# Allegro board 1155001-Timing_board_V3_20241024_1805_pcb.brd (continued)
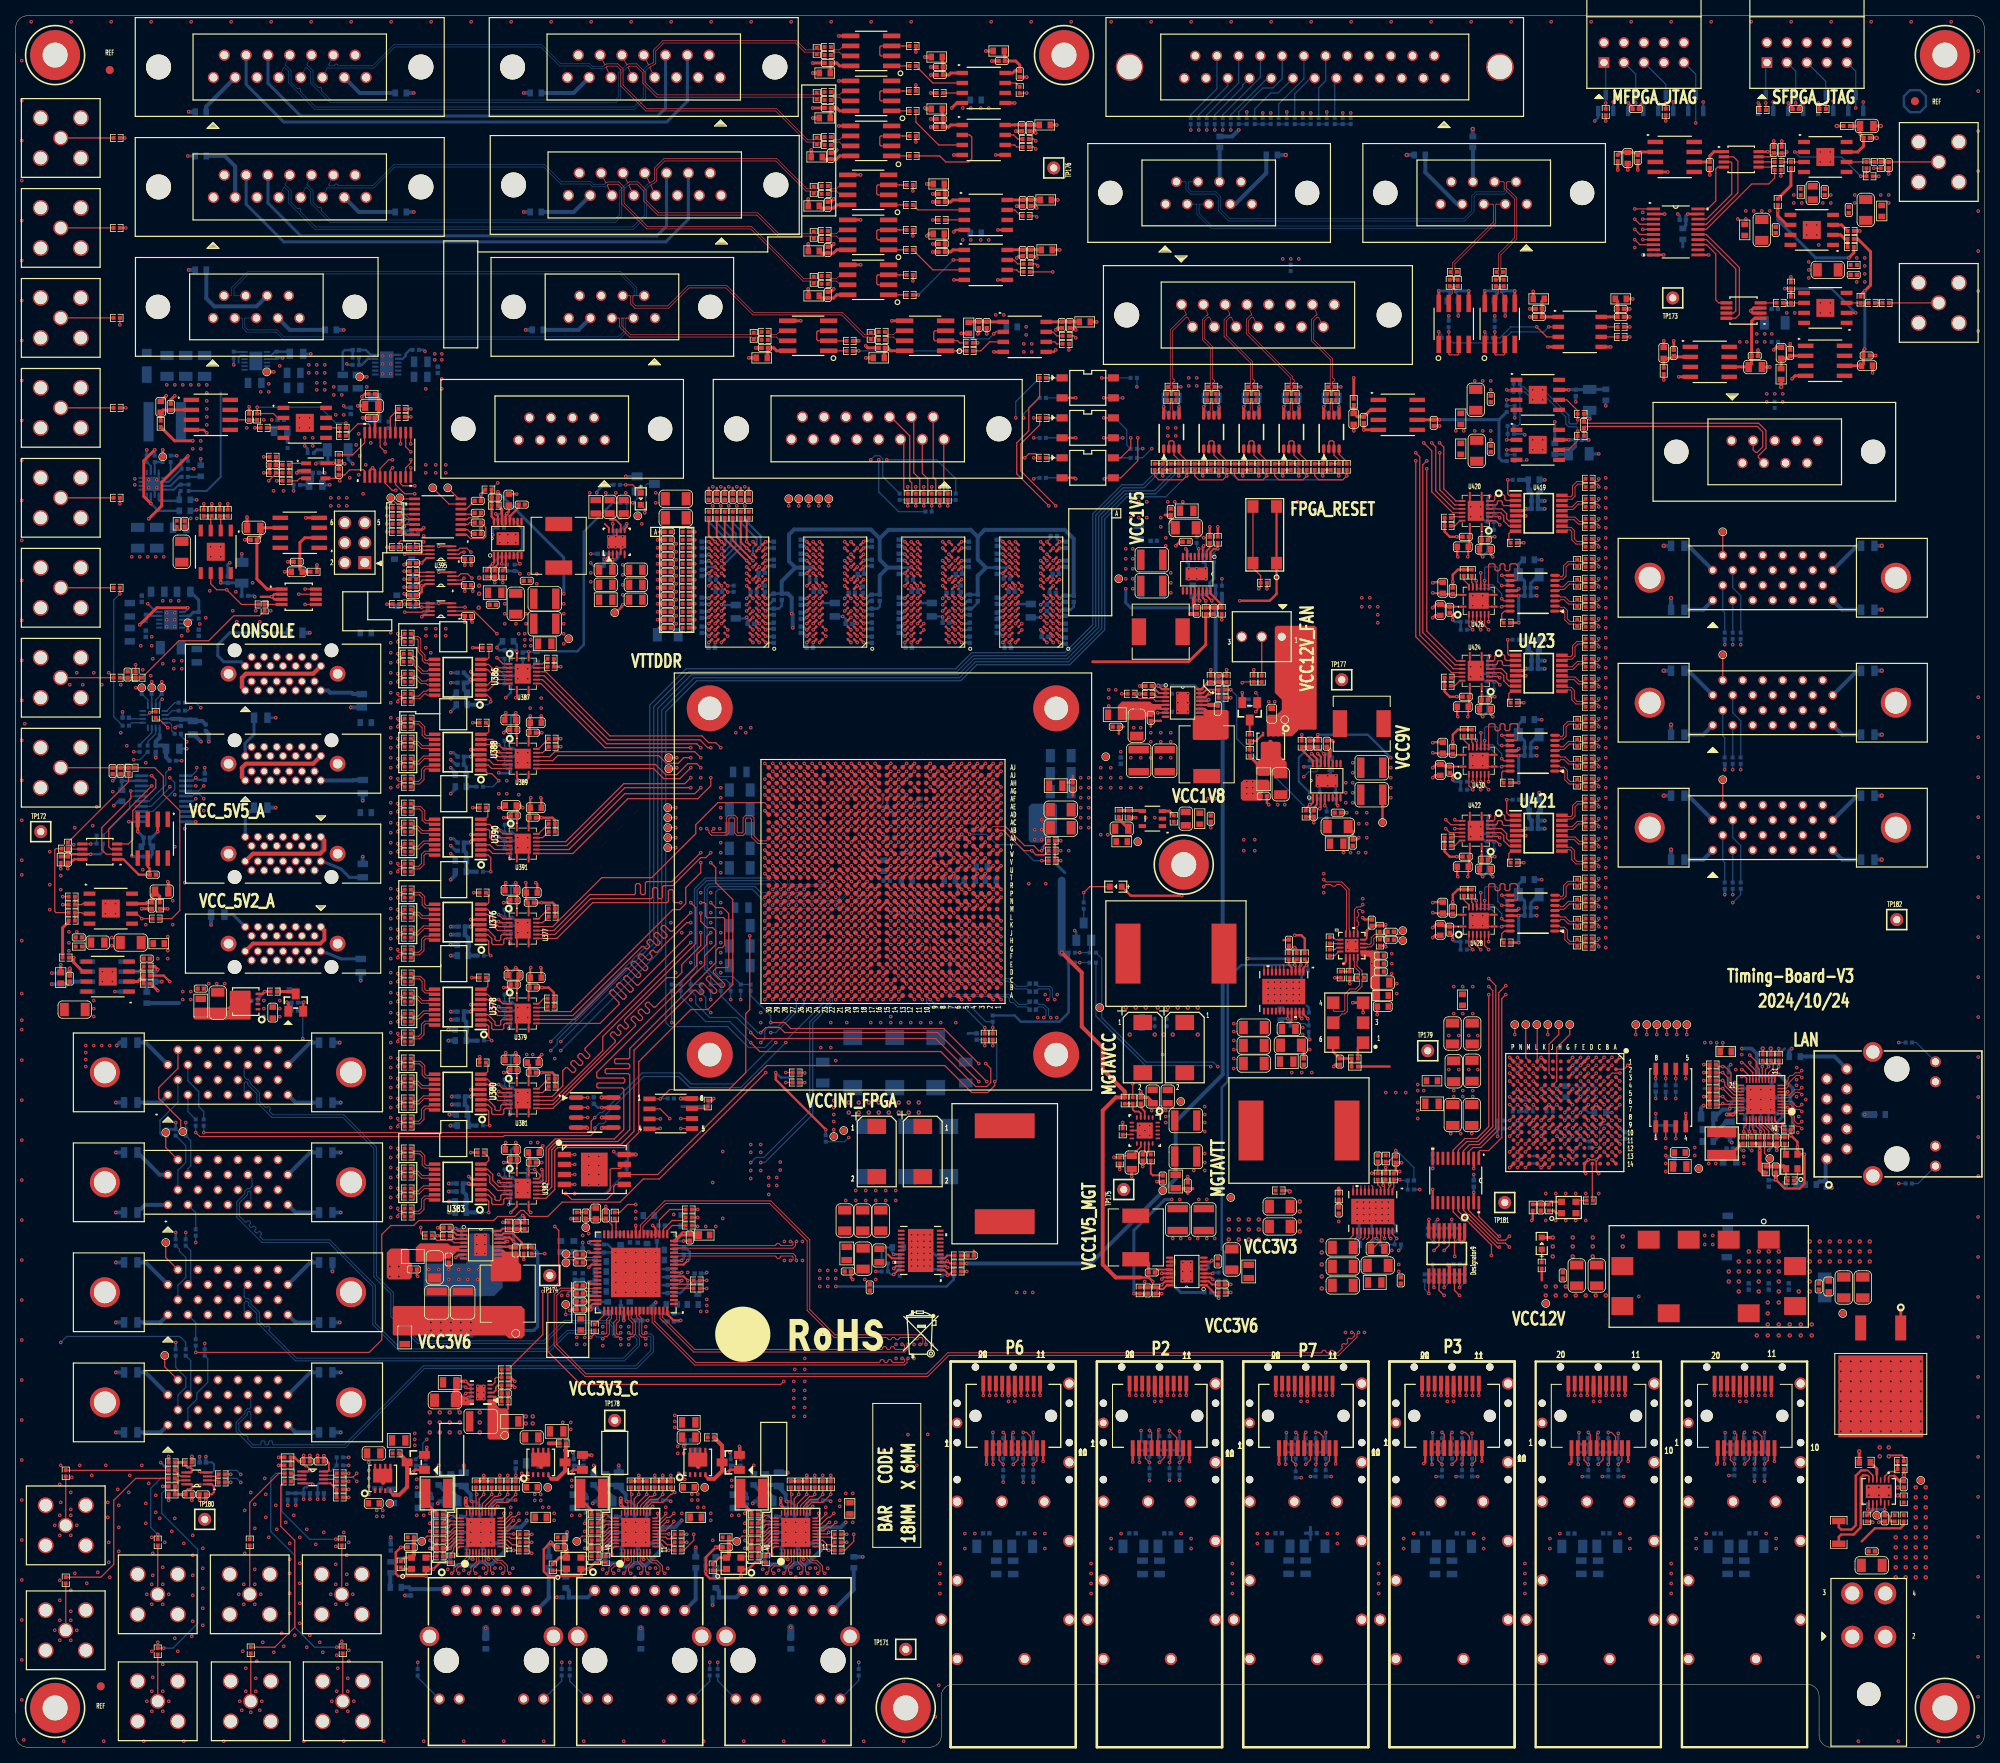
[diagram p0: board, top side]
## Routing (per net, layer and track width the routed paths; a pad name or vN(x,y) marks a point on that pad's centre or on a via; arc(x,y) is an arc through that point) (continued)
  ART03 w0.102: v1(103.14,112) 102.54,112.6 102.54,114.22 102.36,114.4 95.76,114.4
  ART03 w0.117: v1(187.07,97.66) 187.96,98.55 187.96,108.2 184.66,111.51 183.3,111.51 180.77,114.03 180.77,139.04 178.33,141.48 178.33,143.48 170.99,150.83 144.2,150.83 142.24,152.78 136.27,152.78 133.48,155.57 86.23,155.57 85.17,154.51 85.17,137.11 83.72,135.66 83.72,130.15 86.44,127.43 87.2,127.43 88.14,126.49 88.72,126.49 93.95,121.26 93.95,116.1 95.66,114.4 95.76,114.4
FPGA_SFP6_MOD_DETECT: length 52.7
  TOP w0.157: v1(189.7,64.94) 189.19,64.43 188.3,64.43 184.51,68.22 U431.18 ; P9.6 201.58,36.54 v1(200.98,35.94)
  ART05 w0.117: v1(189.7,64.94) 189.22,64.45 189.22,54.99 192.65,51.56 199.67,51.56 205.27,45.96 205.27,44.23 201.8,40.76 201.8,36.76 v1(200.98,35.94)
  BOTTOM w0.102: R3191.2 v1(200.98,35.94)
FPGA_SFP6_MOD_DETECT_1V8: length 233.6
  TOP w0.157: U247.W24 v1(101.14,113) ; U431.3 184.51,75.67 185.04,76.2 186.06,76.2 188.34,78.49 188.34,95.89 v1(189.23,96.77)
  ART03 w0.102: v1(101.14,113) 100.74,113.4 94.74,113.4
  ART03 w0.117: v1(189.23,96.77) 189.61,97.16 189.61,109.95 187.29,112.27 184.5,112.27 183.54,113.23 183.54,128.59 181.51,130.63 181.51,140.05 179.1,142.46 179.1,143.74 171.4,151.43 144.66,151.43 142.56,153.54 136.59,153.54 133.79,156.34 85.98,156.34 84.58,154.94 84.58,137.54 83.12,136.07 83.12,128.97 85.92,126.17 87.22,126.17 88.07,125.32 89.04,125.32 93.34,121.01 93.34,115.65 94.26,114.73 94.26,113.64 94.5,113.4 94.74,113.4
FPGA_SFP6_RX_N: length 125.3
  TOP w0.122: P9.12 v1(203.58,44.7) ; U247.G3 v1(123.14,101)
  ART10 w0.099: 125.6,101.4 125.63,101.4 125.7,101.33 127.57,101.33 arc(128.59,101.13) 129.44,100.55 135.98,94.02 arc(136.67,92.99) 136.91,91.78 136.91,64.43 arc(137.1,63.45) 137.65,62.63 144.74,55.54 arc(146.95,54.06) 149.57,53.54 186.19,53.54 arc(187.07,53.37) 187.82,52.87 197.02,43.67 arc(197.66,43.24) 198.41,43.09 202.14,43.09 arc(202.33,43.13) 202.49,43.24 203.21,43.96 arc(203.32,44.12) 203.35,44.31 203.35,44.32 arc(203.38,44.46) 203.46,44.58 v1(203.58,44.7)
  ART10 w0.102: 125.6,101.4 122.87,101.4 arc(122.77,101.36) 122.73,101.25 122.73,101.1 arc(122.76,101.03) 122.83,101 v1(123.14,101)
FPGA_SFP6_RX_P: length 125.3
  TOP w0.122: U247.G4 v1(122.14,101) ; P9.13 v1(202.78,44.7)
  ART10 w0.099: v1(202.78,44.7) 202.94,44.55 arc(202.99,44.47) 203.01,44.37 203.01,44.31 arc(203,44.25) 202.97,44.2 202.81,44.05 arc(202.75,44.02) 202.68,44.05 arc(202.61,44.08) 202.55,44.05 202.4,43.9 arc(202.37,43.84) 202.4,43.77 arc(202.43,43.7) 202.4,43.63 202.24,43.48 arc(202.19,43.45) 202.14,43.43 198.41,43.43 arc(197.79,43.56) 197.26,43.91 188.06,53.11 arc(187.2,53.68) 186.19,53.89 149.57,53.89 arc(147.08,54.38) 144.98,55.79 137.89,62.87 arc(137.42,63.58) 137.25,64.43 137.25,91.78 arc(136.98,93.12) 136.22,94.26 129.69,100.8 arc(128.72,101.44) 127.57,101.67 125.7,101.67 125.63,101.6 125.6,101.6
  ART10 w0.102: 125.6,101.6 122.87,101.6 arc(122.63,101.5) 122.52,101.25 122.52,101.1 arc(122.49,101.03) 122.42,101 v1(122.14,101)
FPGA_SFP6_TX_FAULT: length 51
  TOP w0.157: U431.20 185.81,67.43 188.3,64.94 v1(188.43,64.94) ; v1(198.44,35.94) 198.44,36.07 198.38,36.13 P9.2
  ART05 w0.117: v1(198.44,35.94) 201.42,38.92 201.42,40.92 204.89,44.39 204.89,45.81 199.52,51.18 192.27,51.18 188.91,54.54 188.91,64.45 v1(188.43,64.94)
  BOTTOM w0.102: R3192.2 v1(198.44,35.94)
FPGA_SFP6_TX_FAULT_1V8: length 232.8
  TOP w0.157: U431.1 185.81,75.66 185.96,75.82 187.07,75.82 188.72,77.47 188.72,95.12 v1(189.23,95.63) ; U247.V27 v1(98.14,113)
  ART03 w0.117: v1(98.14,113) 97.66,112.52 94.74,112.52 93.95,113.31 93.95,114.53 93.05,115.43 93.05,120.89 88.91,125.02 87.71,125.02 87.44,125.29 85.52,125.29 85.21,125.6 85.21,126.37 82.82,128.76 82.82,136.31 84.29,137.77 84.29,155.15 85.8,156.67 133.93,156.67 136.72,153.87 142.69,153.87 144.8,151.76 171.58,151.76 179.48,143.87 179.48,142.62 181.89,140.21 181.89,130.78 183.92,128.75 183.92,113.39 184.66,112.65 187.45,112.65 189.99,110.11 189.99,96.39 v1(189.23,95.63)
FPGA_SFP6_TX_N: length 123.4
  TOP w0.122: P9.19 v1(197.98,44.7) ; U247.H1 v1(125.14,102)
  ART08 w0.099: v1(197.98,44.7) 198.11,44.83 arc(198.18,44.94) 198.21,45.08 198.21,45.18 arc(198.2,45.24) 198.16,45.3 198.06,45.4 arc(197.99,45.43) 197.91,45.4 arc(197.83,45.36) 197.76,45.4 197.63,45.52 arc(197.6,45.6) 197.63,45.68 arc(197.66,45.75) 197.63,45.83 197.33,46.13 arc(197.08,46.3) 196.78,46.35 196.63,46.35 arc(196.56,46.33) 196.53,46.25 arc(196.5,46.18) 196.43,46.15 196.24,46.15 arc(196.16,46.18) 196.13,46.25 arc(196.11,46.33) 196.03,46.35 195.84,46.35 arc(195.77,46.33) 195.74,46.25 arc(195.71,46.18) 195.64,46.15 195.44,46.15 arc(195.37,46.18) 195.34,46.25 arc(195.31,46.33) 195.24,46.35 194.92,46.35 arc(194.36,46.47) 193.88,46.79 193.78,46.89 arc(193.72,46.91) 193.66,46.89 193.66,46.89 arc(193.61,46.86) 193.55,46.89 193.38,47.05 arc(193.36,47.11) 193.38,47.17 arc(193.41,47.23) 193.38,47.28 190.73,49.93 arc(190.05,50.39) 189.25,50.55 157.95,50.55 arc(157.05,50.73) 156.28,51.24 154.85,52.67 arc(154.49,52.91) 154.05,53 148.9,53 arc(148.25,53.13) 147.7,53.49 141.86,59.33 arc(141.42,59.63) 140.9,59.73 140.21,59.73 arc(139.61,59.85) 139.09,60.19 137.38,61.9 arc(137.03,62.43) 136.91,63.05 136.91,90.52 arc(136.38,93.15) 134.89,95.38 126.06,104.22 arc(125.93,104.3) 125.79,104.33 125.57,104.33 125.5,104.4 125.48,104.4
  ART08 w0.102: 125.48,104.4 123.91,104.4 arc(123.79,104.35) 123.74,104.23 123.74,102.81 arc(123.8,102.66) 123.95,102.6 124.4,102.6 arc(124.65,102.5) 124.75,102.25 124.75,102.1 arc(124.78,102.03) 124.85,102 v1(125.14,102)
FPGA_SFP6_TX_P: length 123.4
  TOP w0.122: U247.H2 v1(124.14,102) ; P9.18 v1(198.78,44.7)
  ART08 w0.099: v1(198.78,44.7) 198.66,44.83 arc(198.58,44.94) 198.55,45.08 198.55,45.18 arc(198.51,45.38) 198.4,45.54 197.57,46.37 arc(197.21,46.61) 196.78,46.7 194.92,46.7 arc(194.49,46.78) 194.12,47.03 190.98,50.17 arc(190.18,50.7) 189.25,50.89 157.95,50.89 arc(157.18,51.04) 156.52,51.48 155.09,52.91 arc(154.62,53.23) 154.05,53.34 148.9,53.34 arc(148.38,53.44) 147.94,53.74 142.1,59.58 arc(141.55,59.94) 140.9,60.07 140.21,60.07 arc(139.74,60.17) 139.34,60.43 137.62,62.15 arc(137.35,62.56) 137.25,63.05 137.25,90.52 arc(136.7,93.28) 135.13,95.63 126.3,104.46 arc(126.06,104.62) 125.79,104.67 125.57,104.67 125.5,104.6 125.48,104.6
  ART08 w0.102: 125.48,104.6 123.91,104.6 arc(123.65,104.49) 123.54,104.23 123.54,102.81 arc(123.66,102.52) 123.95,102.4 124.4,102.4 arc(124.51,102.36) 124.55,102.25 124.55,102.1 arc(124.52,102.03) 124.45,102 v1(124.14,102)
FPGA_SFP6_VCCR: length 1.5
  TOP w0.508: v1(201.18,44.7) P9.15
  vias: v1(201.18,43.94)
FPGA_SFP6_VCCT: length 1.5
  TOP w0.508: P9.16 v1(200.38,44.7)
  vias: v1(200.38,43.94)
FPGA_TCK: length 183.6
  TOP w0.157: R456.2 v1(201.93,208.91) ; U247.E10 v1(116.14,99)
  ART03 w0.102: v1(116.14,99) 116.54,99.4 125.64,99.4
  ART03 w0.117: v1(171.96,144.91) 171.83,144.78 171.83,142.39 176.23,137.99 176.23,115.49 167.5,106.75 134.11,106.75 126.76,99.4 125.64,99.4
  ART08 w0.117: v1(201.93,208.91) 201.93,207.39 202.56,206.76 202.56,179.14 195.83,172.4 195.83,170.88 193.1,168.15 191.7,168.15 190.75,167.2 190.75,164.66 172.75,146.65 171.92,146.65 171.45,146.18 171.45,145.41 v1(171.96,144.91)
  BOTTOM w0.157: J1.1 201.93,213.83 v1(201.93,208.91)
FPGA_TDI: length 200.9
  TOP w0.102: v1(116.14,101) 116.14,102 U247.H10
  ART03 w0.117: v1(116.14,101) 116.64,100.5 126.96,100.5 133.85,107.39 167.23,107.39 175.64,115.8 175.64,137.74 170.94,142.44 v1(170.94,144.91)
  ART08 w0.117: v1(213.36,206.38) 211.96,207.77 211.96,208.41 210.44,209.93 201.8,209.93 201.04,209.17 201.04,205.99 201.8,205.23 201.8,179.45 195.07,172.72 195.07,171.2 192.79,168.91 191.39,168.91 189.99,167.51 189.99,164.87 172.53,147.41 171.29,147.41 170.43,146.56 170.43,145.41 v1(170.94,144.91)
  BOTTOM w0.157: J1.9 213.36,212.56 v1(213.36,206.38)
FPGA_TDI_1_GPIO_IN1: length 139.1
  TOP w0.102: v1(96.14,99) U247.E29
  ART05 w0.102: 94.63,99.06 94.97,99.4 95.74,99.4 v1(96.14,99)
  ART05 w0.117: v1(85.72,94.98) 86.89,96.14 91.44,96.14 94.36,99.06 94.63,99.06
  ART08 w0.117: v1(85.72,94.98) 70.21,94.98 64.14,88.9 58.93,88.9 50.45,80.42 46.13,80.42 43.56,77.85 26.42,77.85 24.89,76.33 20.07,76.33 17.53,73.79 17.53,41.27 19.81,38.99 24.77,38.99 28.57,35.18 v1(28.57,34.67)
  BOTTOM w0.157: v1(28.57,34.67) 28.07,35.18 27.07,35.18 R2612.2
FPGA_TDI_2_GPIO_IN1: length 139.9
  TOP w0.102: U247.E30 v1(95.14,99)
  ART05 w0.102: 94.69,98.55 v1(95.14,99)
  ART05 w0.117: v1(87,95) 87.77,95.78 91.58,95.78 94.36,98.55 94.69,98.55
  ART08 w0.117: v1(87,95) 86.47,95.53 70.35,95.53 64.01,89.19 58.81,89.19 50.33,80.72 45.89,80.72 43.4,78.23 26.29,78.23 24.77,76.71 19.94,76.71 17.14,73.91 17.14,41.12 19.65,38.61 24.61,38.61 28.14,35.08 28.14,34.09 v1(28.57,33.66)
  BOTTOM w0.157: R2614.2 27.07,34.16 28.07,34.16 v1(28.57,33.66)
FPGA_TDI_3_GPIO_IN1: length 145.8
  TOP w0.102: U247.H24 v1(101.14,102)
  TOP w0.157: R2624.2 v1(27.3,33.66)
  ART05 w0.117: v1(101.14,102) 100.86,102 100.38,101.52 93.9,101.52 91.57,99.19 86.23,99.19 v1(85.72,99.69)
  ART08 w0.117: v1(27.3,33.66) 27.74,34.09 27.74,34.93 24.45,38.23 19.5,38.23 16.76,40.96 16.76,74.04 19.81,77.09 24.64,77.09 26.16,78.61 43.05,78.61 47.46,83.02 51.65,83.02 59.18,90.55 64.7,90.55 73.85,99.69 v1(85.72,99.69)
FPGA_TDI_4_GPIO_IN1: length 144.4
  TOP w0.102: U247.H25 v1(100.14,102)
  TOP w0.157: R2626.2 v1(27.3,34.67)
  ART05 w0.117: v1(100.14,102) 99.65,102.49 94.04,102.49 92,100.46 87.76,100.46 v1(87,99.69)
  ART08 w0.117: v1(87,99.69) 86.56,100.13 73.87,100.13 64.58,90.85 59.06,90.85 51.53,83.31 47.21,83.31 42.9,78.99 26.04,78.99 24.51,77.47 19.68,77.47 16.38,74.17 16.38,40.8 19.34,37.85 24.29,37.85 27.3,34.83 v1(27.3,34.67)
FPGA_TDI_SYNC_GPIO_OUT1: length 97.5
  TOP w0.157: U247.B23 v1(102.14,96)
  ART08 w0.117: v1(69.34,57.4) 69.34,58.29 74.55,63.5 74.55,67.44 82.8,75.69 v1(89.79,75.69)
  ART10 w0.102: 101.74,94.5 101.74,95.6 v1(102.14,96)
  ART10 w0.117: v1(69.34,57.4) 69.34,55.5 62.99,49.15 58.29,49.15 48.13,38.99 48.13,36.7 45.09,33.66 43.43,33.66 v1(43.31,33.78) ; 101.74,94.5 101.74,94.24 99.6,92.11 99.6,89.62 95.98,86 95.98,82.14 89.79,75.95 v1(89.79,75.69)
  BOTTOM w0.157: R2618.2 42.06,34.29 42.8,34.29 v1(43.31,33.78)
FPGA_TDI_SYNC_GPIO_OUT2: length 97.6
  TOP w0.122: U247.F25 v1(100.14,100)
  ART10 w0.102: v1(100.14,100) 99.75,100 99.14,99.4 95.73,99.4 95.63,99.3 95.63,98.81 95.38,98.55 95,98.55 94.74,98.3
  ART10 w0.117: v1(42.29,34.8) 42.29,34.92 43.94,36.58 44.1,36.58 57.82,50.29 62.61,50.29 68.07,55.75 68.07,57.91 69.91,59.75 69.91,65.71 75.07,70.87 77.85,70.87 91.31,84.33 91.31,91.06 94.61,94.36 94.61,98.17 94.74,98.3
  BOTTOM w0.157: R2620.2 v1(42.29,34.8)
FPGA_TDI_SYNC_GPIO_OUT3: length 99.6
  TOP w0.157: R2630.2 42.06,34.29 42.8,34.29 v1(43.31,34.8) ; U247.B28 v1(97.14,96)
  ART10 w0.102: 95.74,94.61 95.74,98.18 95.96,98.4 97.4,98.4 97.54,98.26 97.54,96.39 97.14,96 v1(97.14,96)
  ART10 w0.117: 95.74,94.61 95.74,93.33 94.93,92.51 94.42,92.51 92.33,90.42 92.33,82.8 79.63,70.1 75.14,70.1 70.74,65.7 70.74,59.56 68.83,57.66 68.83,55.51 62.85,49.53 58.14,49.53 47.75,39.15 47.75,36.86 45.56,34.67 43.43,34.67 v1(43.31,34.8)
FPGA_TDI_SYNC_GPIO_OUT4: length 103.4
  TOP w0.157: U247.C25 v1(100.14,97) ; R2632.2 v1(42.29,33.78)
  ART10 w0.102: 95.41,94.61 95.54,94.74 95.54,98.26 95.88,98.6 97.49,98.6 97.74,98.35 97.74,95.81 98.04,95.5 99.31,95.5 99.54,95.73 99.54,96.4 v1(100.14,97)
  ART10 w0.117: 95.41,94.61 95.12,94.33 95.12,93.2 94.83,92.91 93.75,92.91 91.94,91.09 91.94,82.97 79.46,70.48 75.11,70.48 70.21,65.58 70.21,59.54 68.45,57.78 68.45,55.64 62.73,49.91 57.98,49.91 47.37,39.3 47.37,37.85 45.21,35.69 43.56,35.69 42.8,34.92 42.8,34.29 v1(42.29,33.78)
FPGA_TDO: length 187.7
  TOP w0.157: U247.G10 v1(115.14,101)
  ART03 w0.117: v1(170.94,146.05) 170.43,145.54 170.43,142.53 175.35,137.62 175.35,115.96 167.1,107.71 133.72,107.71 127.48,101.47 115.61,101.47 v1(115.14,101)
  ART08 w0.117: v1(205.74,208.91) 205.1,209.55 201.93,209.55 201.45,209.07 201.45,206.09 202.18,205.36 202.18,179.29 195.45,172.56 195.45,171.04 192.94,168.53 191.55,168.53 190.37,167.36 190.37,164.76 172.64,147.03 171.54,147.03 170.94,146.43 v1(170.94,146.05)
  BOTTOM w0.157: v1(205.74,208.91) 205.74,212.56 J1.3
FPGA_TMS: length 186.5
  TOP w0.157: R455.2 v1(209.55,208.91) ; U247.F10 v1(116.14,100)
  ART03 w0.102: 125.54,99.76 125.38,99.6 116.54,99.6 v1(116.14,100)
  ART03 w0.117: v1(171.96,146.05) 171.45,145.54 171.45,142.35 175.94,137.87 175.94,115.64 167.36,107.07 133.98,107.07 126.86,99.95 125.73,99.95 125.54,99.76
  ART08 w0.117: v1(171.96,146.05) 172.64,146.05 191.13,164.55 191.13,167.04 191.86,167.77 193.26,167.77 196.22,170.72 196.22,172.25 202.95,178.98 202.95,202.31 v1(209.55,208.91)
  BOTTOM w0.157: v1(209.55,208.91) 209.55,211.29 J1.5
FPGA_TO_SFPGA_RESERVE0: length 232.1
  TOP w0.122: U247.AJ27 v1(98.14,124)
  TOP w0.157: U88.M3 v1(191.72,85.64)
  ART05 w0.102: v1(98.14,124) 98.14,124.3 98.54,124.7 98.54,125.24 98.3,125.48
  ART05 w0.117: 98.3,125.48 98.3,125.73 96.52,127.51 91.31,127.51 89.43,129.39 85.88,129.39 79.9,135.37 79.9,154.19 80.92,155.22 80.92,157.12 84.66,160.86 127.85,160.86 128.88,161.89 138.25,161.89 139.44,160.7 157.82,160.7 168.68,149.83 182.65,149.83 184.91,147.57 187.32,147.57 188.09,146.81 189.1,146.81 194.62,141.3 194.62,95.54 189.18,90.1 189.18,86.53 189.57,86.14 191.22,86.14 v1(191.72,85.64)
FPGA_TO_SFPGA_RESERVE1: length 234
  TOP w0.122: U247.AK28 v1(97.14,125)
  TOP w0.157: U88.M2 v1(191.72,86.64)
  ART05 w0.117: v1(191.72,86.64) 191.22,87.15 191.22,87.84 193.68,90.3 193.68,90.91 195.52,92.76 195.52,146.09 190.87,150.73 171.65,150.73 163.32,159.06 162.56,159.06 159.34,162.28 139.19,162.28 138.68,162.79 128.5,162.79 127.45,161.74 82.59,161.74 79.89,159.05 79.89,157.53 79.01,156.65 79.01,134.66 85.41,128.27 88.96,128.27 90.82,126.42 96.12,126.42 97.14,125.4 v1(97.14,125)
FPGA_TO_SFPGA_RESERVE2: length 233.7
  TOP w0.122: U247.AG27 v1(98.14,122)
  TOP w0.157: U88.P2 v1(189.72,86.64)
  ART05 w0.102: v1(98.14,122) 97.74,122.4 97.74,125.38
  ART05 w0.117: v1(189.72,86.64) 190.22,87.14 190.22,88.52 190.88,89.18 190.88,91.38 194.92,95.42 194.92,143.86 188.64,150.13 168.89,150.13 157.99,161.04 139.57,161.04 138.42,162.18 128.76,162.18 127.73,161.15 83.7,161.15 80.62,158.07 80.62,155.35 79.6,154.33 79.6,135.15 85.72,129.03 89.28,129.03 91.19,127.13 96.39,127.13 97.74,125.78 97.74,125.38
FPGA_TO_SFPGA_RESERVE3: length 235.1
  TOP w0.122: U247.AG28 v1(97.14,122)
  TOP w0.157: U88.N1 v1(190.72,87.64)
  ART05 w0.102: 97.41,125.35 97.54,125.22 97.54,122.4 v1(97.14,122)
  ART05 w0.117: v1(190.72,87.64) 190.72,88.23 191.26,88.77 191.26,91.33 195.22,95.29 195.22,145.9 190.68,150.44 171.51,150.44 163.19,158.75 162.43,158.75 159.21,161.97 139.06,161.97 138.56,162.48 128.64,162.48 127.61,161.45 82.71,161.45 80.31,159.05 80.31,155.5 79.31,154.49 79.31,134.91 85.56,128.65 89.12,128.65 91,126.77 96.24,126.77 97.41,125.6 97.41,125.35
FPGA_TO_SFPGA_RESERVE4: length 224.3
  TOP w0.122: U247.AH26 v1(99.14,123)
  TOP w0.157: U88.P4 v1(189.72,84.64)
  ART05 w0.102: 99.45,125.5 99.54,125.41 99.54,124.83 99.16,124.46 99.03,124.46 98.74,124.17 98.74,123.4 v1(99.14,123)
  ART05 w0.117: 99.45,125.5 99.45,127.23 91.4,135.28 85.2,135.28 80.78,139.69 80.78,153.76 81.86,154.84 81.86,156.69 84.59,159.42 128.05,159.42 128.91,160.27 137.41,160.27 137.92,159.77 157.23,159.77 168.22,148.77 180.84,148.77 183.79,145.82 186.92,145.82 188.72,144.02 188.72,140.3 190.25,138.78 190.25,92.5 188.3,90.56 188.3,85.64 189.29,84.64 v1(189.72,84.64)
FPGA_TO_SFPGA_RESERVE5: length 227.8
  TOP w0.122: U247.AH27 v1(98.14,123)
  TOP w0.157: U88.P3 v1(189.72,85.64)
  ART05 w0.102: 98.69,125.5 98.74,125.45 98.74,124.52 98.54,124.32 98.54,123.4 v1(98.14,123)
  ART05 w0.117: v1(189.72,85.64) 189.44,85.64 188.89,86.19 188.89,90.23 192.68,94.02 192.68,142.72 188.98,146.43 187.96,146.43 187.2,147.19 184.78,147.19 182.5,149.48 168.53,149.48 157.61,160.4 138.4,160.4 137.21,161.59 129.01,161.59 127.98,160.57 84.8,160.57 81.23,157 81.23,155.07 80.19,154.03 80.19,139.35 84.86,134.69 91.16,134.69 98.69,127.15 98.69,125.5
FPGA_TO_SFPGA_RESERVE6: length 241.6
  TOP w0.122: U247.AF26 v1(99.14,121)
  TOP w0.157: U88.L3 v1(192.72,85.64)
  ART05 w0.102: v1(99.14,121) 98.54,121.6 96.97,121.6 96.74,121.83 96.74,125.26 96.65,125.35
  ART05 w0.117: v1(192.72,85.64) 192.28,86.09 192.28,88.14 194.06,89.92 194.06,90.84 195.84,92.62 195.84,146.22 190.24,151.82 171.49,151.82 160.73,162.58 139.31,162.58 138.81,163.08 128.38,163.08 127.33,162.04 82.46,162.04 79.6,159.17 79.6,157.65 78.72,156.77 78.72,134.42 85.25,127.89 88.01,127.89 89.84,126.06 95.94,126.06 96.65,125.35
FPGA_TO_SFPGA_RESERVE7: length 240.5
  TOP w0.122: U247.AF27 v1(98.14,121)
  TOP w0.157: U88.L2 v1(192.72,86.64)
  ART05 w0.102: v1(98.14,121) 97.74,121.4 96.84,121.4 96.54,121.7 96.54,124.32 96.39,124.46 96.01,124.46 95.92,124.55
  ART05 w0.117: v1(192.72,86.64) 193.17,87.09 193.17,87.88 195.33,90.04 195.33,90.81 196.13,91.61 196.13,146.34 190.37,152.11 171.64,152.11 160.86,162.89 139.45,162.89 138.94,163.4 128.22,163.4 127.15,162.33 82.34,162.33 79.3,159.29 79.3,157.77 78.43,156.89 78.43,134.17 85.09,127.51 87.12,127.51 88.93,125.7 95.15,125.7 95.63,125.22 95.63,124.84 95.92,124.55
FPGA_TO_SFPGA_RESERVE8: length 224.2
  TOP w0.122: U247.AJ26 v1(99.14,124)
  TOP w0.157: U88.M5 v1(191.72,83.64)
  ART05 w0.102: v1(99.14,124) 99.74,124.6 99.74,125.5
  ART05 w0.117: 99.74,125.5 99.74,127.36 91.52,135.58 85.39,135.58 81.08,139.89 81.08,153.62 82.17,154.71 82.17,155.93 85.34,159.11 128.37,159.11 129.21,159.94 137.11,159.94 137.62,159.44 157.05,159.44 168.07,148.41 180.7,148.41 183.64,145.47 186.72,145.47 188.37,143.81 188.37,140.16 189.89,138.63 189.89,92.62 188,90.73 188,85.3 189.16,84.14 191.22,84.14 v1(191.72,83.64)
FPGA_TO_SFPGA_RESERVE9: length 226.7
  TOP w0.122: U247.AK26 v1(99.14,125)
  TOP w0.157: U88.M4 v1(191.72,84.64)
  ART05 w0.102: 99.11,125.5 99.14,125.47 v1(99.14,125)
  ART05 w0.117: v1(191.72,84.64) 191.22,85.14 189.3,85.14 188.59,85.85 188.59,90.35 192.35,94.11 192.35,142.29 189.28,145.36 188.39,145.36 186.94,146.81 184.66,146.81 182.35,149.12 168.38,149.12 157.43,160.07 138.05,160.07 137.54,160.58 128.78,160.58 127.93,159.73 84.44,159.73 81.53,156.82 81.53,154.94 80.49,153.89 80.49,139.48 84.98,134.98 91.28,134.98 99.11,127.15 99.11,125.5
FPGA_UART_RX_MOTOR: length 211.6
  TOP w0.157: R3353.1 v1(169.04,161.54) 168.53,161.04 165.48,161.04 164.97,161.54 R3331.1 ; U247.E20 v1(105.14,99)
  ART05 w0.102: 106.43,96.65 106.54,96.76 106.54,97.27 106.4,97.4 105.85,97.4 105.54,97.71 105.54,98.28 105.14,98.68 v1(105.14,99)
  ART05 w0.117: 106.43,96.65 106.3,96.52 105.92,96.52 105.66,96.27 105.66,94.87 99.01,88.21 94.18,88.21 90.78,84.81 74.6,84.81 69.75,89.66 v1(69.22,89.66)
  BOTTOM w0.157: v1(69.22,89.66) 81.53,101.98 81.53,131.99 85.81,136.27 119.7,136.27 121.73,138.3 133.54,138.3 137.54,142.3 137.54,156.4 140.78,159.64 144.59,159.64 147.51,162.56 153.67,162.56 155.19,161.04 168.53,161.04 v1(169.04,161.54)
FPGA_UART_TX_MOTOR: length 208.2
  TOP w0.157: R3361.1 v1(158.88,161.54) 158.37,161.04 155.32,161.04 154.81,161.54 R3355.1 ; U247.D17 v1(108.14,98)
  ART05 w0.102: 108.54,94.5 108.54,97.17 108.14,97.56 v1(108.14,98)
  ART05 w0.117: v1(67.94,88.52) 67.94,87.22 71.87,83.3 92.13,83.3 95.52,86.69 102.52,86.69 107.24,91.41 107.24,93.15 108.54,94.45 108.54,94.5
  BOTTOM w0.157: v1(67.94,88.52) 68.77,89.34 68.77,89.9 81.03,102.16 81.03,132.2 85.47,136.65 119.54,136.65 121.57,138.68 133.38,138.68 137.16,142.46 137.16,156.56 140.62,160.02 143.29,160.02 146.34,163.07 157.35,163.07 v1(158.88,161.54)
HMC7044_1_CLK_C_N: length 2
  TOP w0.122: U105.48 73.32,57.82 73.21,57.94 72.31,57.94 C994.1
HMC7044_1_CLK_C_P: length 2.1
  TOP w0.122: U105.47 73.31,58.33 73.25,58.27 72.44,58.27 C993.1
HMC7044_1_CLK_N: length 183.2
  TOP w0.122: v1(171.07,107.06) 170.78,106.77 170.32,106.77 170.01,106.46 170.01,103.84 169.92,103.76 U245.10 ; C994.2 70.89,58 69.3,58 68.71,57.4 68.71,51.18 72.44,47.45 115.69,47.45 118.36,50.12 165.79,50.12 165.91,50.24 165.91,50.32 166.03,50.44 166.28,50.44 166.4,50.32 166.4,50.24 166.52,50.12 166.77,50.12 166.89,50.24 166.89,50.32 167.01,50.44 167.25,50.44 167.38,50.32 167.38,50.24 167.5,50.12 167.88,50.12 168.46,50.71 168.46,50.88 168.41,50.94 168.41,51.11 168.58,51.28 168.75,51.28 168.81,51.22 168.98,51.22 169.15,51.4 169.15,51.57 169.1,51.63 169.1,51.8 169.27,51.97 169.44,51.97 169.5,51.91 169.67,51.91 170,52.25 170,52.58 169.88,52.7 v1(169.67,52.7)
  ART08 w0.099: v1(169.67,52.7) 169.86,52.9 169.86,53.51 177.08,60.72 177.08,99.66 174.21,102.53 171.31,102.53 170.21,103.62 170.21,106.57 170.51,106.87 170.88,106.87 v1(171.07,107.06)
HMC7044_1_CLK_P: length 183.1
  TOP w0.122: v1(171.07,106.17) 170.8,106.44 170.52,106.44 170.39,106.32 170.39,106.15 170.55,106 170.55,105.63 170.34,105.42 170.34,105.03 170.55,104.82 170.55,104.45 170.34,104.25 170.34,103.86 170.42,103.77 U245.9 ; C993.2 70.89,58.33 69.17,58.33 68.38,57.54 68.38,51.04 72.3,47.12 115.82,47.12 118.5,49.79 168.01,49.79 170.33,52.11 170.33,52.5 v1(170.53,52.7)
  ART08 w0.099: v1(171.07,106.17) 171.07,106.43 170.97,106.53 170.66,106.53 170.56,106.43 170.56,103.76 171.45,102.87 174.35,102.87 177.42,99.8 177.42,60.58 171.51,54.67 171.51,54.53 171.52,54.52 171.52,54.38 171.38,54.24 171.24,54.24 171.23,54.25 171.09,54.25 170.95,54.11 170.95,53.97 170.96,53.96 170.96,53.82 170.82,53.68 170.68,53.68 170.67,53.69 170.53,53.69 170.21,53.37 170.21,52.8 170.3,52.7 v1(170.53,52.7)
HMC7044_1_CLKIN0_C_N: length 2
  TOP w0.122: C2395.1 72.34,61.91 73.24,61.91 73.33,61.83 U105.40
HMC7044_1_CLKIN0_C_P: length 2
  TOP w0.122: U105.39 73.32,62.32 73.24,62.24 72.4,62.24 C2394.1
HMC7044_1_GPIO1: length 61.9
  TOP w0.157: R1000.2 76.73,67.96 77.72,68.96 v1(78.74,68.96) ; U247.J17 v1(109.14,103)
  ART05 w0.102: 109.42,94.5 109.54,94.62 109.54,97.35 109.35,97.54 108.97,97.54 108.74,97.76 108.74,97.96 108.3,98.4 106.18,98.4 105.74,98.83 105.74,98.89 105.74,98.89 105.74,99.21 105.93,99.4 109.3,99.4 109.73,99.82 109.73,102.41 v1(109.14,103)
  ART05 w0.117: v1(104.14,87.25) 107.83,90.93 107.83,92.91 109.42,94.5
  ART08 w0.117: v1(78.74,68.96) 84.07,74.3 90.04,74.3 92.95,77.2 94.47,77.2 104.14,86.87 v1(104.14,87.25)
HMC7044_1_GPIO1_R: length 2.1
  TOP w0.157: U105.31 76.24,67 R1000.1
HMC7044_1_GPIO2: length 75.9
  TOP w0.157: R1001.2 73.53,52.58 v1(73.03,52.07) ; U247.H17 v1(108.14,102)
  ART05 w0.117: v1(89.79,67.18) 89.33,66.73 78.31,66.73 74.17,62.59 74.17,54.66 73.03,53.52 v1(73.03,52.07)
  ART08 w0.102: v1(108.14,102) 107.74,101.6 107.74,94.57 107.79,94.53 107.79,94.5
  ART08 w0.117: v1(89.79,67.18) 95.12,67.18 105.28,77.34 105.28,78.99 106.43,80.14 106.43,83.82 107.82,85.22 107.82,94.46 107.79,94.5
HMC7044_1_GPIO2_R: length 2.2
  TOP w0.157: U105.52 74.74,54.95 R1001.1
HMC7044_1_RESET: length 60.9
  TOP w0.157: R995.2 v1(87.76,58.29) ; U247.K18 v1(107.14,104)
  ART08 w0.102: 106.54,94.5 106.54,103.4 v1(107.14,104)
  ART08 w0.117: 106.54,94.5 106.54,93.74 106.71,93.57 106.71,90.38 105.5,89.16 105.5,84.88 102.31,81.7 102.31,75.64 94.87,68.2 88.27,68.2 86.87,66.8 86.49,66.8 86.11,66.42 86.11,59.94 v1(87.76,58.29)
HMC7044_1_RESET_R: length 2.5
  TOP w0.157: R995.1 86.05,58.33 U105.5
HMC7044_1_SCLK: length 48.5
  TOP w0.157: U247.H20 v1(105.14,102) ; v1(86.61,67.31) R998.2
  ART08 w0.117: v1(105.14,102) 105.64,101.5 105.64,92.9 106.08,92.46 106.08,91.13 104.99,90.04 104.99,84.98 101.6,81.58 101.6,75.56 96.77,70.74 90.04,70.74 v1(86.61,67.31)
HMC7044_1_SCLK_R: length 4.1
  TOP w0.157: U105.19 82.24,65.81 83.36,66.93 84.69,66.93 R998.1
HMC7044_1_SDATA: length 46.3
  TOP w0.157: v1(86.61,68.33) R999.2 ; U247.G20 v1(105.14,101)
  ART08 w0.117: v1(86.61,68.33) 89.53,71.25 93.34,71.25 93.98,71.88 97.16,71.88 101.09,75.82 101.09,81.68 104.57,85.15 104.57,90.57 105.1,91.1 105.1,94.03 104.63,94.5 104.63,100.49 v1(105.14,101)
HMC7044_1_SDATA_R: length 5.7
  TOP w0.157: R999.1 83.06,68.33 81.74,67.01 U105.20
HMC7044_1_SLEN: length 51.3
  TOP w0.157: R997.2 86.47,66.29 v1(86.6,66.17) ; U247.J18 v1(108.14,103)
  ART08 w0.102: 107.49,94.5 107.49,94.53 107.54,94.57 107.54,102.4 v1(108.14,103)
  ART08 w0.117: 107.49,94.5 107.43,94.44 107.43,89.98 106.55,89.1 106.55,84.8 104.82,83.06 104.82,77.51 95,67.69 88.39,67.69 86.87,66.17 v1(86.6,66.17)
HMC7044_1_SLEN_R: length 3.1
  TOP w0.157: R997.1 83.39,66.29 82.74,65.65 U105.18
HMC7044_1_SYNC_R: length 2.7
  TOP w0.157: U105.6 85.6,58.82 R996.1
HMC7044_1_VCC1_VCO:
  vias: v1(85.34,60.33)
HMC7044_1_VCC2_OUT:
  vias: v1(84.84,65.28)
HMC7044_1_VCC3_SYSREF: length 3.3
  TOP w0.254: U105.21 81.24,65.95 v1(80.9,66.29)
  BOTTOM w0.305: 81.43,65.71 C1015.2 80.46,65.09 C1016.1
HMC7044_1_VCC4_OUT: length 1.1
  TOP w0.254: U105.26 v1(78.74,66.29)
HMC7044_1_VCC5_PLL1: length 1.2
  TOP w0.279: v1(72.77,62.94) 72.89,62.83 U105.38
HMC7044_1_VCC6_OSCOUT: length 1.3
  TOP w0.279: v1(72.77,60.96) 73.14,61.32 U105.41
HMC7044_1_VCC7_PLL2: length 5
  TOP w0.279: U105.51 73.27,56.33 73.03,56.08 v1(73.03,55.63)
  TOP w0.508: C1029.1 v1(73.03,55.63)
  BOTTOM w0.381: v1(73.03,55.63) 73.26,55.86 C1027.2 74.47,55.18 C1028.1
